# Altium PCB WordClock2.PcbDoc (part 2 of 3) (continued)
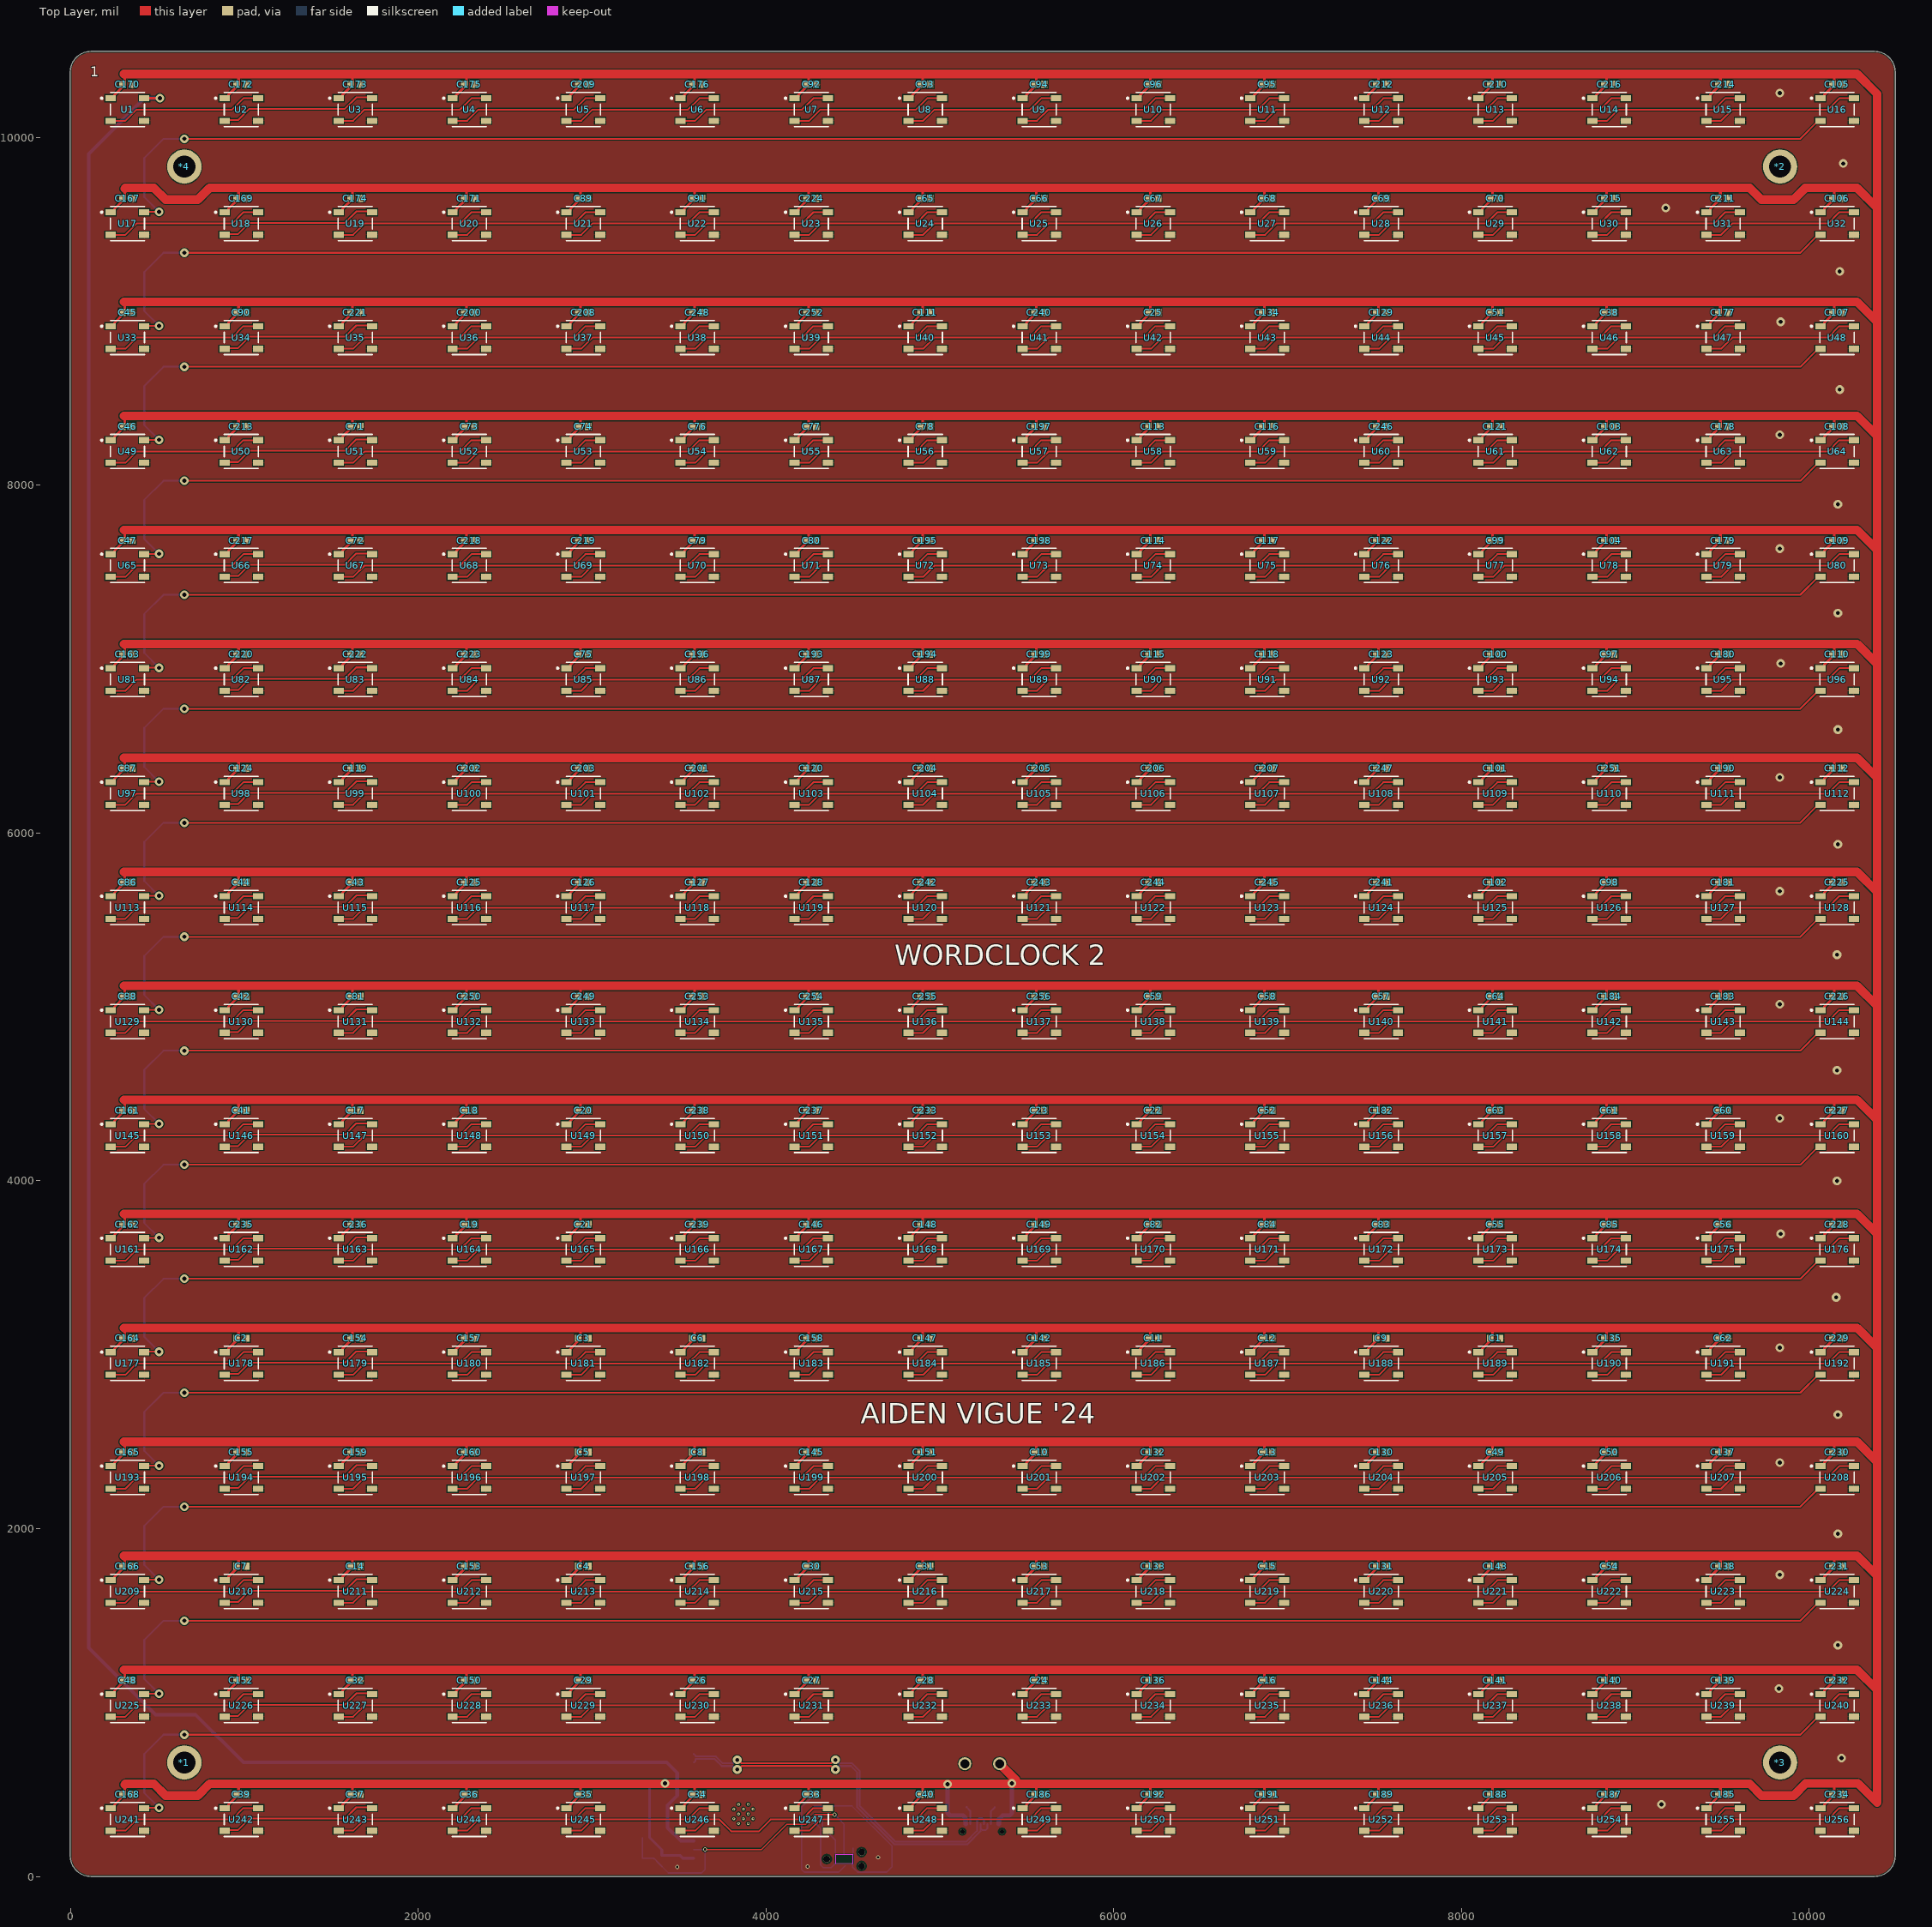
[diagram p0: Top Layer view]
## Nets (pads, with @x,y where several pads share a name; then routed paths per layer and width w, separated by ;. In a path a pad name is that pad's centre, name@x,y a point inside that pad or via, vN(x,y) a via of type N, cw(c..) or ccw(c..) an arc to the next point about the centre after c; other vN are vias at no path point) (continued)
6867.12,3149.69 6862.44,3154.37 ; U171.1@6786.42,3670.27 6798.23,3670.27 6808.44,3680.49 6808.44,3689.67 6867.12,3748.35 6867.12,3805.2 6862.44,3809.88 ; U155.1@6786.42,4325.79 6798.23,4325.79 6808.44,4336 6808.44,4345.18 6867.12,4403.86 6867.12,4460.71 6862.44,4465.39 ; U139.1@6786.42,4981.3 6798.23,4981.3 6808.44,4991.51 6808.44,5000.69 6867.12,5059.37 6867.12,5116.22 6862.44,5120.9 ; U123.1@6786.42,5636.81 6798.23,5636.81 6808.44,5647.03 6808.44,5656.2 6867.12,5714.88 6867.12,5771.73 6862.44,5776.42 ; U107.1@6786.42,6292.32 6798.23,6292.32 6808.44,6302.54 6808.44,6311.71 6867.12,6370.39 6867.12,6427.24 6862.44,6431.93 ; U91.1@6786.42,6947.83 6798.23,6947.83 6808.44,6958.05 6808.44,6967.22 6867.12,7025.9 6867.12,7082.75 6862.44,7087.44 ; U75.1@6786.42,7603.35 6798.23,7603.34 6808.44,7613.56 6808.44,7622.74 6867.12,7681.42 6867.12,7738.27 6862.44,7742.95 ; U59.1@6786.42,8258.86 6798.23,8258.86 6808.44,8269.07 6808.44,8278.25 6867.12,8336.93 6867.12,8393.78 6862.44,8398.46 ; U43.1@6786.42,8914.37 6798.23,8914.37 6808.44,8924.59 6808.44,8933.76 6867.12,8992.44 6867.12,9049.29 6862.44,9053.98 ; U27.1@6786.42,9569.88 6798.23,9569.88 6808.44,9580.1 6808.44,9589.27 6867.12,9647.95 6867.12,9704.8 6862.44,9709.49 ; U11.1@6786.42,10225.39 6798.23,10225.39 6808.44,10235.61 6808.44,10244.78 6867.12,10303.47 6867.12,10360.32 6862.44,10365 ; U252.1@7441.93,392.72 7453.74,392.72 7463.96,402.93 7463.96,412.11 7522.64,470.79 7522.64,472.76 7522.64,527.64 7517.95,532.32 ; U236.1@7441.93,1048.23 7453.74,1048.23 7463.96,1058.44 7463.96,1067.62 7522.64,1126.3 7522.64,1128.27 7522.64,1183.15 7517.95,1187.83 ; U220.1@7441.93,1703.74 7453.74,1703.74 7463.96,1713.96 7463.96,1723.13 7522.64,1781.81 7522.64,1783.78 7522.64,1838.66 7517.95,1843.35 ; U204.1@7441.93,2359.25 7453.74,2359.25 7463.96,2369.47 7463.96,2378.64 7522.64,2437.32 7522.64,2494.17 7517.95,2498.86 ; U188.1@7441.93,3014.76 7453.74,3014.76 7463.96,3024.98 7463.96,3034.15 7522.64,3092.83 7522.64,3094.8 7522.64,3149.69 7517.95,3154.37 ; U172.1@7441.93,3670.27 7453.74,3670.27 7463.96,3680.49 7463.96,3689.67 7522.64,3748.35 7522.64,3750.31 7522.64,3805.2 7517.95,3809.88 ; U156.1@7441.93,4325.79 7453.74,4325.79 7463.96,4336 7463.96,4345.18 7522.64,4403.86 7522.64,4405.83 7522.64,4460.71 7517.95,4465.39 ; U140.1@7441.93,4981.3 7453.74,4981.3 7463.96,4991.51 7463.96,5000.69 7522.64,5059.37 7522.64,5116.22 7517.95,5120.9 ; U124.1@7441.93,5636.81 7453.74,5636.81 7463.96,5647.03 7463.96,5656.2 7522.64,5714.88 7522.64,5716.85 7522.64,5771.73 7517.95,5776.42 ; U108.1@7441.93,6292.32 7453.74,6292.32 7463.96,6302.54 7463.96,6311.71 7522.64,6370.39 7522.64,6372.36 7522.64,6427.24 7517.95,6431.93 ; U92.1@7441.93,6947.83 7453.74,6947.83 7463.96,6958.05 7463.96,6967.22 7522.64,7025.9 7522.64,7082.75 7517.95,7087.44 ; U76.1@7441.93,7603.35 7453.74,7603.34 7463.96,7613.56 7463.96,7622.74 7522.64,7681.42 7522.64,7738.27 7517.95,7742.95 ; U60.1@7441.93,8258.86 7453.74,8258.86 7463.96,8269.07 7463.96,8278.25 7522.64,8336.93 7522.64,8338.9 7522.64,8393.78 7517.95,8398.46 ; U44.1@7441.93,8914.37 7453.74,8914.37 7463.96,8924.59 7463.96,8933.76 7522.64,8992.44 7522.64,8994.41 7522.64,9049.29 7517.95,9053.98 ; U28.1@7441.93,9569.88 7453.74,9569.88 7463.96,9580.1 7463.96,9589.27 7522.64,9647.95 7522.64,9704.8 7517.95,9709.49 ; U12.1@7441.93,10225.39 7453.74,10225.39 7463.96,10235.61 7463.96,10244.78 7522.64,10303.47 7522.64,10305.43 7522.64,10360.32 7517.95,10365 ; U253.1@8097.44,392.72 8109.25,392.72 8119.47,402.93 8119.47,412.11 8178.15,470.79 8178.15,527.64 8173.46,532.32 ; U237.1@8097.44,1048.23 8109.25,1048.23 8119.47,1058.44 8119.47,1067.62 8178.15,1126.3 8178.15,1183.15 8173.46,1187.83 ; U221.1@8097.44,1703.74 8109.25,1703.74 8119.47,1713.96 8119.47,1723.13 8178.15,1781.81 8178.15,1838.66 8173.46,1843.35 ; U205.1@8097.44,2359.25 8109.25,2359.25 8119.47,2369.47 8119.47,2378.64 8178.15,2437.32 8178.15,2494.17 8173.46,2498.86 ; U189.1@8097.44,3014.76 8109.25,3014.76 8119.47,3024.98 8119.47,3034.15 8178.15,3092.83 8178.15,3149.69 8173.46,3154.37 ; U173.1@8097.44,3670.27 8109.25,3670.27 8119.47,3680.49 8119.47,3689.67 8178.15,3748.35 8178.15,3805.2 8173.46,3809.88 ; U157.1@8097.44,4325.79 8109.25,4325.79 8119.47,4336 8119.47,4345.18 8178.15,4403.86 8178.15,4460.71 8173.46,4465.39 ; U141.1@8097.44,4981.3 8109.25,4981.3 8119.47,4991.51 8119.47,5000.69 8178.15,5059.37 8178.15,5116.22 8173.46,5120.9 ; U125.1@8097.44,5636.81 8109.25,5636.81 8119.47,5647.03 8119.47,5656.2 8178.15,5714.88 8178.15,5771.73 8173.46,5776.42 ; U109.1@8097.44,6292.32 8109.25,6292.32 8119.47,6302.54 8119.47,6311.71 8178.15,6370.39 8178.15,6427.24 8173.46,6431.93 ; U93.1@8097.44,6947.83 8109.25,6947.83 8119.47,6958.05 8119.47,6967.22 8178.15,7025.9 8178.15,7082.75 8173.46,7087.44 ; U77.1@8097.44,7603.35 8109.25,7603.34 8119.47,7613.56 8119.47,7622.74 8178.15,7681.42 8178.15,7738.27 8173.46,7742.95 ; U61.1@8097.44,8258.86 8109.25,8258.86 8119.47,8269.07 8119.47,8278.25 8178.15,8336.93 8178.15,8393.78 8173.46,8398.46 ; U45.1@8097.44,8914.37 8109.25,8914.37 8119.47,8924.59 8119.47,8933.76 8178.15,8992.44 8178.15,9049.29 8173.46,9053.98 ; U29.1@8097.44,9569.88 8109.25,9569.88 8119.47,9580.1 8119.47,9589.27 8178.15,9647.95 8178.15,9704.8 8173.46,9709.49 ; U13.1@8097.44,10225.39 8109.25,10225.39 8119.47,10235.61 8119.47,10244.78 8178.15,10303.47 8178.15,10360.32 8173.46,10365 ; U254.1@8752.95,392.72 8764.76,392.72 8774.98,402.93 8774.98,412.11 8833.66,470.79 8833.66,527.64 8828.98,532.32 ; U238.1@8752.95,1048.23 8764.76,1048.23 8774.98,1058.44 8774.98,1067.62 8833.66,1126.3 8833.66,1183.15 8828.98,1187.83 ; U222.1@8752.95,1703.74 8764.76,1703.74 8774.98,1713.96 8774.98,1723.13 8833.66,1781.81 8833.66,1838.66 8828.98,1843.35 ; U206.1@8752.95,2359.25 8764.76,2359.25 8774.98,2369.47 8774.98,2378.64 8833.66,2437.32 8833.66,2494.17 8828.98,2498.86 ; U190.1@8752.95,3014.76 8764.76,3014.76 8774.98,3024.98 8774.98,3034.15 8833.66,3092.83 8833.66,3149.69 8828.98,3154.37 ; U174.1@8752.95,3670.27 8764.76,3670.27 8774.98,3680.49 8774.98,3689.67 8833.66,3748.35 8833.66,3805.2 8828.98,3809.88 ; U158.1@8752.95,4325.79 8764.76,4325.79 8774.98,4336 8774.98,4345.18 8833.66,4403.86 8833.66,4460.71 8828.98,4465.39 ; U142.1@8752.95,4981.3 8764.76,4981.3 8774.98,4991.51 8774.98,5000.69 8833.66,5059.37 8833.66,5116.22 8828.98,5120.9 ; U126.1@8752.95,5636.81 8764.76,5636.81 8774.98,5647.03 8774.98,5656.2 8833.66,5714.88 8833.66,5771.73 8828.98,5776.42 ; U110.1@8752.95,6292.32 8764.76,6292.32 8774.98,6302.54 8774.98,6311.71 8833.66,6370.39 8833.66,6427.24 8828.98,6431.93 ; U94.1@8752.95,6947.83 8764.76,6947.83 8774.98,6958.05 8774.98,6967.22 8833.66,7025.9 8833.66,7082.75 8828.98,7087.44 ; U78.1@8752.95,7603.35 8764.76,7603.34 8774.98,7613.56 8774.98,7622.74 8833.66,7681.42 8833.66,7738.27 8828.98,7742.95 ; U62.1@8752.95,8258.86 8764.76,8258.86 8774.98,8269.07 8774.98,8278.25 8833.66,8336.93 8833.66,8393.78 8828.98,8398.46 ; U46.1@8752.95,8914.37 8764.76,8914.37 8774.98,8924.59 8774.98,8933.76 8833.66,8992.44 8833.66,9049.29 8828.98,9053.98 ; U30.1@8752.95,9569.88 8764.76,9569.88 8774.98,9580.1 8774.98,9589.27 8833.66,9647.95 8833.66,9704.8 8828.98,9709.49 ; U14.1@8752.95,10225.39 8764.76,10225.39 8774.98,10235.61 8774.98,10244.78 8833.66,10303.47 8833.66,10360.32 8828.98,10365 ; U255.1@9408.47,392.72 9420.27,392.72 9430.49,402.93 9430.49,412.11 9489.17,470.79 9489.17,527.64 9484.49,532.32 ; U239.1@9408.47,1048.23 9420.27,1048.23 9430.49,1058.44 9430.49,1067.62 9489.17,1126.3 9489.17,1183.15 9484.49,1187.83 ; U223.1@9408.47,1703.74 9420.27,1703.74 9430.49,1713.96 9430.49,1723.13 9489.17,1781.81 9489.17,1838.66 9484.49,1843.35 ; U207.1@9408.47,2359.25 9420.27,2359.25 9430.49,2369.47 9430.49,2378.64 9489.17,2437.32 9489.17,2494.17 9484.49,2498.86 ; U191.1@9408.47,3014.76 9420.27,3014.76 9430.49,3024.98 9430.49,3034.15 9489.17,3092.83 9489.17,3149.69 9484.49,3154.37 ; U175.1@9408.47,3670.27 9420.27,3670.27 9430.49,3680.49 9430.49,3689.67 9489.17,3748.35 9489.17,3805.2 9484.49,3809.88 ; U159.1@9408.47,4325.79 9420.27,4325.79 9430.49,4336 9430.49,4345.18 9489.17,4403.86 9489.17,4460.71 9484.49,4465.39 ; U143.1@9408.47,4981.3 9420.27,4981.3 9430.49,4991.51 9430.49,5000.69 9489.17,5059.37 9489.17,5116.22 9484.49,5120.9 ; U127.1@9408.47,5636.81 9420.27,5636.81 9430.49,5647.03 9430.49,5656.2 9489.17,5714.88 9489.17,5771.73 9484.49,5776.42 ; U111.1@9408.47,6292.32 9420.27,6292.32 9430.49,6302.54 9430.49,6311.71 9489.17,6370.39 9489.17,6427.24 9484.49,6431.93 ; U95.1@9408.47,6947.83 9420.27,6947.83 9430.49,6958.05 9430.49,6967.22 9489.17,7025.9 9489.17,7082.75 9484.49,7087.44 ; U79.1@9408.47,7603.35 9420.27,7603.34 9430.49,7613.56 9430.49,7622.74 9489.17,7681.42 9489.17,7738.27 9484.49,7742.95 ; U63.1@9408.47,8258.86 9420.27,8258.86 9430.49,8269.07 9430.49,8278.25 9489.17,8336.93 9489.17,8393.78 9484.49,8398.46 ; U47.1@9408.47,8914.37 9420.27,8914.37 9430.49,8924.59 9430.49,8933.76 9489.17,8992.44 9489.17,9049.29 9484.49,9053.98 ; U31.1@9408.47,9569.88 9420.27,9569.88 9430.49,9580.1 9430.49,9589.27 9489.17,9647.95 9489.17,9704.8 9484.49,9709.49 ; U15.1@9408.47,10225.39 9420.27,10225.39 9430.49,10235.61 9430.49,10244.78 9489.17,10303.47 9489.17,10360.32 9484.49,10365 ; U256.1@10063.98,392.72 10075.79,392.72 10086,402.93 10086,412.11 10144.68,470.79 10144.68,472.76 10144.68,527.64 ; U240.1@10063.98,1048.23 10075.79,1048.23 10086,1058.44 10086,1067.62 10144.68,1126.3 10144.68,1128.27 10144.68,1183.15 10140,1187.83 ; U224.1@10063.98,1703.74 10075.79,1703.74 10086,1713.96 10086,1723.13 10144.68,1781.81 10144.68,1783.78 10144.68,1838.66 10140,1843.35 ; U208.1@10063.98,2359.25 10075.79,2359.25 10086,2369.47 10086,2378.64 10144.68,2437.32 10144.68,2494.17 10140,2498.86 ; U192.1@10063.98,3014.76 10075.79,3014.76 10086,3024.98 10086,3034.15 10144.68,3092.83 10144.68,3094.8 10144.68,3149.69 10140,3154.37 ; U176.1@10063.98,3670.27 10075.79,3670.27 10086,3680.49 10086,3689.67 10144.68,3748.35 10144.68,3750.31 10144.68,3805.2 10140,3809.88 ; U160.1@10063.98,4325.79 10075.79,4325.79 10086,4336 10086,4345.18 10144.68,4403.86 10144.68,4405.83 10144.68,4460.71 10140,4465.39 ; U144.1@10063.98,4981.3 10075.79,4981.3 10086,4991.51 10086,5000.69 10144.68,5059.37 10144.68,5116.22 10140,5120.9 ; U128.1@10063.98,5636.81 10075.79,5636.81 10086,5647.03 10086,5656.2 10144.68,5714.88 10144.68,5716.85 10144.68,5771.73 10140,5776.42 ; U112.1@10063.98,6292.32 10075.79,6292.32 10086,6302.54 10086,6311.71 10144.68,6370.39 10144.68,6372.36 10144.68,6427.24 10140,6431.93 ; U96.1@10063.98,6947.83 10075.79,6947.83 10086,6958.05 10086,6967.22 10144.68,7025.9 10144.68,7082.75 10140,7087.44 ; U80.1@10063.98,7603.35 10075.79,7603.34 10086,7613.56 10086,7622.74 10144.68,7681.42 10144.68,7738.27 10140,7742.95 ; U64.1@10063.98,8258.86 10075.79,8258.86 10086,8269.07 10086,8278.25 10144.68,8336.93 10144.68,8338.9 10144.68,8393.78 10140,8398.46 ; U48.1@10063.98,8914.37 10075.79,8914.37 10086,8924.59 10086,8933.76 10144.68,8992.44 10144.68,8994.41 10144.68,9049.29 10140,9053.98 ; U32.1@10063.98,9569.88 10075.79,9569.88 10086,9580.1 10086,9589.27 10144.68,9647.95 10144.68,9649.92 10144.68,9704.8 10140,9709.49 ; U16.1@10063.98,10225.39 10075.79,10225.39 10086,10235.61 10086,10244.78 10144.68,10303.47 10144.68,10305.43 10144.68,10360.32 10140,10365
  Top Layer w50: 307.32,1187.83 962.83,1187.83 1618.35,1187.83 2273.86,1187.83 2929.37,1187.83 3584.88,1187.83 4240.39,1187.83 4895.91,1187.83 5551.42,1187.83 6206.93,1187.83 6862.44,1187.83 7517.95,1187.83 8173.46,1187.83 8828.98,1187.83 9484.49,1187.83 10140,1187.83 10275,1187.83 10390,1072.83 ; 307.32,1843.35 962.83,1843.35 1618.35,1843.35 2273.86,1843.35 2929.37,1843.35 3584.88,1843.35 4240.39,1843.35 4895.91,1843.35 5551.42,1843.35 6206.93,1843.35 6862.44,1843.35 7517.95,1843.35 8173.46,1843.35 8828.98,1843.35 9484.49,1843.35 10140,1843.35 10275,1843.35 10390,1728.35 ; 307.32,2498.86 962.83,2498.86 1618.35,2498.86 2273.86,2498.86 2929.37,2498.86 3584.88,2498.86 4240.39,2498.86 4895.91,2498.86 5551.42,2498.86 6206.93,2498.86 6862.44,2498.86 7517.95,2498.86 8173.46,2498.86 8828.98,2498.86 9484.49,2498.86 10140,2498.86 10275,2498.86 10390,2383.86 ; 307.32,3154.37 962.83,3154.37 1618.35,3154.37 2273.86,3154.37 2929.37,3154.37 3584.88,3154.37 4240.39,3154.37 4895.91,3154.37 5551.42,3154.37 6206.93,3154.37 6862.44,3154.37 7517.95,3154.37 8173.46,3154.37 8828.98,3154.37 9484.49,3154.37 10140,3154.37 10275,3154.37 10390,3039.37 ; 307.32,3809.88 962.83,3809.88 1618.35,3809.88 2273.86,3809.88 2929.37,3809.88 3584.88,3809.88 4240.39,3809.88 4895.91,3809.88 5551.42,3809.88 6206.93,3809.88 6862.44,3809.88 7517.95,3809.88 8173.46,3809.88 8828.98,3809.88 9484.49,3809.88 10140,3809.88 10275,3809.88 10390,3694.88 ; 307.32,4465.39 962.83,4465.39 1618.35,4465.39 2273.86,4465.39 2929.37,4465.39 3584.88,4465.39 4240.39,4465.39 4895.91,4465.39 5551.42,4465.39 6206.93,4465.39 6862.44,4465.39 7517.95,4465.39 8173.46,4465.39 8828.98,4465.39 9484.49,4465.39 10140,4465.39 10275,4465.39 10390,4350.39 ; 307.32,5120.9 962.83,5120.9 1618.35,5120.9 2273.86,5120.9 2929.37,5120.9 3584.88,5120.9 4240.39,5120.9 4895.91,5120.9 5551.42,5120.9 6206.93,5120.9 6862.44,5120.9 7517.95,5120.9 8173.46,5120.9 8828.98,5120.9 9484.49,5120.9 10140,5120.9 10275,5120.9 10390,5005.9 ; 307.32,5776.42 962.83,5776.42 1618.35,5776.42 2273.86,5776.42 2929.37,5776.42 3584.88,5776.42 4240.39,5776.42 4895.91,5776.42 5551.42,5776.42 6206.93,5776.42 6862.44,5776.42 7517.95,5776.42 8173.46,5776.42 8828.98,5776.42 9484.49,5776.42 10140,5776.42 10275,5776.42 10390,5661.42 ; 307.32,6431.93 962.83,6431.93 1618.35,6431.93 2273.86,6431.93 2929.37,6431.93 3584.88,6431.93 4240.39,6431.93 4895.91,6431.93 5551.42,6431.93 6206.93,6431.93 6862.44,6431.93 7517.95,6431.93 8173.46,6431.93 8828.98,6431.93 9484.49,6431.93 10140,6431.93 10275,6431.93 10390,6316.93 ; 307.32,7087.44 962.83,7087.44 1618.35,7087.44 2273.86,7087.44 2929.37,7087.44 3584.88,7087.44 4240.39,7087.44 4895.91,7087.44 5551.42,7087.44 6206.93,7087.44 6862.44,7087.44 7517.95,7087.44 8173.46,7087.44 8828.98,7087.44 9484.49,7087.44 10140,7087.44 10275,7087.44 10390,6972.44 ; 307.32,7742.95 962.83,7742.95 1618.35,7742.95 2273.86,7742.95 2929.37,7742.95 3584.88,7742.95 4240.39,7742.95 4895.91,7742.95 5551.42,7742.95 6206.93,7742.95 6862.44,7742.95 7517.95,7742.95 8173.46,7742.95 8828.98,7742.95 9484.49,7742.95 10140,7742.95 10275,7742.95 10390,7627.95 ; 307.32,8398.46 962.83,8398.46 1618.35,8398.46 2273.86,8398.46 2929.37,8398.46 3584.88,8398.46 4240.39,8398.46 4895.91,8398.46 5551.42,8398.46 6206.93,8398.46 6862.44,8398.46 7517.95,8398.46 8173.46,8398.46 8828.98,8398.46 9484.49,8398.46 10140,8398.46 10275,8398.46 10390,8283.46 ; 307.32,9053.98 962.83,9053.98 1618.35,9053.98 2273.86,9053.98 2929.37,9053.98 3584.88,9053.98 4240.39,9053.98 4895.91,9053.98 5551.42,9053.98 6206.93,9053.98 6862.44,9053.98 7517.95,9053.98 8173.46,9053.98 8828.98,9053.98 9484.49,9053.98 10140,9053.98 10275,9053.98 10390,8938.98 ; 307.32,10365 962.83,10365 1618.35,10365 2273.86,10365 2929.37,10365 3584.88,10365 4240.39,10365 4895.91,10365 5551.42,10365 6206.93,10365 6862.44,10365 7517.95,10365 8173.46,10365 8828.98,10365 9484.49,10365 10140,10365 10275,10365 10390,10250 10390,9594.49 ; 312.01,527.64 316.69,532.32 480.51,532.32 547.83,465 732.83,465 800.16,532.32 1618.35,532.32 2273.86,532.32 2929.37,532.32 3584.88,532.32 4240.39,532.32 4895.91,532.32 5551.42,532.32 6206.93,532.32 6862.44,532.32 7517.95,532.32 8173.46,532.32 8828.98,532.32 9484.49,532.32 9657.68,532.32 9725,465 9910,465 9980,535 10280,535 10390,425 10390,1072.83 ; 312.01,9704.8 316.69,9709.49 480.51,9709.49 547.83,9642.17 732.83,9642.17 800.16,9709.49 1618.35,9709.49 2273.86,9709.49 2929.37,9709.49 3584.88,9709.49 4240.39,9709.49 4895.91,9709.49 5551.42,9709.49 6206.93,9709.49 6862.44,9709.49 7517.95,9709.49 8173.46,9709.49 8828.98,9709.49 9484.49,9709.49 9657.68,9709.49 9725,9642.17 9910,9642.17 9977.32,9709.49 10140,9709.49 10275,9709.49 10390,9594.49 ; E1.A1@5344,648.13 5436.06,556.06 ; 10390,1072.83 10390,1728.35 ; 10390,1728.35 10390,2383.86 ; 10390,2383.86 10390,3039.37 ; 10390,3039.37 10390,3694.88 ; 10390,3694.88 10390,4350.39 ; 10390,4350.39 10390,5005.9 ; 10390,5005.9 10390,5661.42 ; 10390,5661.42 10390,6316.93 ; 10390,6316.93 10390,6972.44 ; 10390,6972.44 10390,7627.95 ; 10390,7627.95 10390,8283.46 ; 10390,8283.46 10390,8938.98 ; 10390,8938.98 10390,9594.49
  Bottom Layer w25: v1(5045,530) 5045,364.64 5059.64,350 5134.27,350 5148.92,335.36 5148.92,300.57 J1.B4-A9@5149.61,299.88 ; J1.A4-B9@5338.58,299.88 5339.27,300.57 5339.27,328.27 5361,350 5400.36,350 5415,364.64 v1(5415,535)
  Bottom Layer w50: v1(3420,535) 3420.55,534.45 U258.3@3420.55,534.31
CC1: J1.A5 R2.2 | length 108.2
  Bottom Layer w10: J1.A5@5293.31,299.88 5293.31,373.82 5315.77,396.29 R2.2@5315.77,398.79
CC2: J1.B5 R3.2 | length 108.8
  Bottom Layer w10: R3.2@5154.23,400 5154.23,397.5 5175.2,376.53 J1.B5@5175.2,299.88
GND: *1.1 *2.1 *3.1 *4.1 C1.2 C2.2 C3.2 C4.2 C5.2 C6.2 C7.2 C8.2 C9.2 C10.2 C11.2 C12.2 C13.2 C14.2 C15.2 C16.2 C17.2 C18.2 C19.2 C20.2 C21.2 C22.2 C23.2 C24.2 C25.2 C26.2 C27.2 C28.2 C29.2 C30.2 C31.2 C32.2 C33.2 C34.2 C35.2 C36.2 C37.2 C38.2 C39.2 C40.2 C41.2 C42.2 C43.2 C44.2 C45.2 C46.2 C47.2 C48.2 C49.2 C50.2 C51.2 C52.2 C53.2 C54.2 C55.2 C56.2 C57.2 C58.2 C59.2 C60.2 C61.2 C62.2 C63.2 C64.2 C65.2 C66.2 C67.2 C68.2 C69.2 C70.2 C71.2 C72.2 C73.2 C74.2 C75.2 C76.2 C77.2 C78.2 C79.2 C80.2 C81.2 C82.2 C83.2 C84.2 C85.2 C86.2 C87.2 C88.2 C89.2 C90.2 C91.2 C92.2 C93.2 C94.2 C95.2 C96.2 C97.2 C98.2 C99.2 C100.2 C101.2 C102.2 C103.2 C104.2 C105.2 C106.2 C107.2 C108.2 C109.2 C110.2 C111.2 C112.2 C113.2 C114.2 C115.2 C116.2 C117.2 C118.2 C119.2 C120.2 C121.2 C122.2 C123.2 C124.2 C125.2 C126.2 C127.2 C128.2 C129.2 C130.2 C131.2 C132.2 C133.2 C134.2 C135.2 C136.2 C137.2 C138.2 C139.2 C140.2 C141.2 C142.2 C143.2 C144.2 C145.2 C146.2 C147.2 C148.2 C149.2 C150.2 C151.2 C152.2 C153.2 C154.2 C155.2 C156.2 C157.2 C158.2 C159.2 C160.2 C161.2 C162.2 C163.2 C164.2 C165.2 C166.2 C167.2 C168.2 C169.2 C170.2 C171.2 C172.2 C173.2 C174.2 C175.2 C176.2 C177.2 C178.2 C179.2 C180.2 C181.2 C182.2 C183.2 C184.2 C185.2 C186.2 C187.2 C188.2 C189.2 C190.2 C191.2 C192.2 C193.2 C194.2 C195.2 C196.2 C197.2 C198.2 C199.2 C200.2 C201.2 C202.2 C203.2 C204.2 C205.2 C206.2 C207.2 C208.2 C209.2 C210.2 C211.2 C212.2 C213.2 C214.2 C215.2 C216.2 C217.2 C218.2 C219.2 C220.2 C221.2 C222.2 C223.2 C224.2 C225.2 C226.2 C227.2 C228.2 C229.2 C230.2 C231.2 C232.2 C233.2 C234.2 C235.2 C236.2 C237.2 C238.2 C239.2 C240.2 C241.2 C242.2 C243.2 C244.2 C245.2 C246.2 C247.2 C248.2 C249.2 C250.2 C251.2 C252.2 C253.2 C254.2 C255.2 C256.2 C257.2 C258.2 E1.A2 J1.1 J1.2 J1.3 J1.4 J1.A1-B12 J1.B1-A12 J2.5 R2.1 R3.1 SW1.1 U1.3 U2.3 U3.3 U4.3 U5.3 U6.3 U7.3 U8.3 U9.3 U10.3 U11.3 U12.3 U13.3 U14.3 U15.3 U16.3 U17.3 U18.3 U19.3 U20.3 U21.3 U22.3 U23.3 U24.3 U25.3 U26.3 U27.3 U28.3 U29.3 U30.3 U31.3 U32.3 U33.3 U34.3 U35.3 U36.3 U37.3 U38.3 U39.3 U40.3 U41.3 U42.3 U43.3 U44.3 U45.3 U46.3 U47.3 U48.3 U49.3 U50.3 U51.3 U52.3 U53.3 U54.3 U55.3 U56.3 U57.3 U58.3 U59.3 U60.3 U61.3 U62.3 U63.3 U64.3 U65.3 U66.3 U67.3 U68.3 U69.3 U70.3 U71.3 U72.3 U73.3 U74.3 U75.3 U76.3 U77.3 U78.3 U79.3 U80.3 U81.3 U82.3 U83.3 U84.3 U85.3 U86.3 U87.3 U88.3 U89.3 U90.3 U91.3 U92.3 U93.3 U94.3 U95.3 U96.3 U97.3 U98.3 U99.3 U100.3 U101.3 U102.3 U103.3 U104.3 U105.3 U106.3 U107.3 U108.3 U109.3 U110.3 U111.3 U112.3 U113.3 U114.3 U115.3 U116.3 U117.3 U118.3 U119.3 U120.3 U121.3 U122.3 U123.3 U124.3 U125.3 U126.3 U127.3 U128.3 U129.3 U130.3 U131.3 U132.3 U133.3 U134.3 U135.3 U136.3 U137.3 U138.3 U139.3 U140.3 U141.3 U142.3 U143.3 U144.3 U145.3 U146.3 U147.3 U148.3 U149.3 U150.3 U151.3 U152.3 U153.3 U154.3 U155.3 U156.3 U157.3 U158.3 U159.3 U160.3 U161.3 U162.3 U163.3 U164.3 U165.3 U166.3 U167.3 U168.3 U169.3 U170.3 U171.3 U172.3 U173.3 U174.3 U175.3 U176.3 U177.3 U178.3 U179.3 U180.3 U181.3 U182.3 U183.3 U184.3 U185.3 U186.3 U187.3 U188.3 U189.3 U190.3 U191.3 U192.3 U193.3 U194.3 U195.3 U196.3 U197.3 U198.3 U199.3 U200.3 U201.3 U202.3 U203.3 U204.3 U205.3 U206.3 U207.3 U208.3 U209.3 U210.3 U211.3 U212.3 U213.3 U214.3 U215.3 U216.3 U217.3 U218.3 U219.3 U220.3 U221.3 U222.3 U223.3 U224.3 U225.3 U226.3 U227.3 U228.3 U229.3 U230.3 U231.3 U232.3 U233.3 U234.3 U235.3 U236.3 U237.3 U238.3 U239.3 U240.3 U241.3 U242.3 U243.3 U244.3 U245.3 U246.3 U247.3 U248.3 U249.3 U250.3 U251.3 U252.3 U253.3 U254.3 U255.3 U256.3 U257.1 U257.40 U257.41_1 U257.41_2 U257.41_3 U257.41_4 U257.41_5 U257.41_6 U257.41_7 U257.41_8 U257.41_9 U258.1 | length 40
  Bottom Layer w8: J2.5@4500,125 4500,165
  other v1: 9150,415 10185,680 9825,1080 10165,1330 9830,1735 10165,1970 9830,2380 10165,2655 9830,3040 10155,3330 9835,3695 10160,4000 9830,4360 10160,4635 9830,5015 10160,5300 9830,5665 10165,5935 9830,6320 10165,6595 9835,6975 10165,7265 9830,7635 10165,7890 9830,8290 10175,8550 9835,8940 10175,9230 9175,9595 10195,9850 9830,10255
  other v2: 3490,55 4239.45,57.5 4645,110
NetJ2_1: J2.1 U257.34 | length 300.4
  Bottom Layer w8: U257.34@4273.98,355 4287.69,341.28 4318.72,341.28 4325,335 4325,284.17 4400,209.17 J2.1@4400,125
NetJ2_2: J2.2 U257.35 | length 365.7
  Bottom Layer w8: U257.35@4273.98,305 4285.79,305 4314.6,276.19 4314.6,65.09 4329.69,50 4375,50 J2.2@4400,75
NetJ2_3: J2.3 R1.2 SW1.2 U257.3 | length 1783.6
  Top Layer w8: v2(3650,155) 3975,155 4120,300 4227.89,300 4282.89,355 v2(4395,355)
  Bottom Layer w8: R1.2@3289.41,223.2 3289.41,105.08 SW1.2@3289.49,105 3355,105 3371.51,88.49 3371.51,87.46 3438.97,20 3630.31,20 3650,39.69 v2(3650,155) U257.3@3585,155 ; v2(4395,355) 4450,300 J2.3@4450,125
NetJ2_4: J2.4 U257.32 | length 721.2
  Bottom Layer w8: U257.32@4273.98,455 4262.17,455 4205,397.83 4205,40 4220,25 4420,25 4455,60
NetJ2_6: J2.6 U257.33 | length 939.1
  Bottom Layer w8: U257.33@4273.98,405 4495,405 4725,175 4725,55 4695,25 4527.02,25 4498.51,53.51 4498.51,73.51 J2.6@4500,75
NetU1_2: U1.2 U2.4 | length 902.2
  Top Layer w10: U1.2@231.3,10095.47 315.47,10095.47 380,10160 930,10160 995.39,10225.39 U2.4@1079.72,10225.39
NetU1_4: U1.4 U257.4 | length 13425.6
  Top Layer w15: U1.4@424.21,10225.39 424.41,10225.2 514.8,10225.2 v1(515,10225)
  Bottom Layer w20: v1(515,10225) 425,10225 105,9905 105,1315 490,930 720,930 995,655 3430,655 3490,595 3490,465 3435,410 3435,280 3510,205 U257.4@3585,205
NetU2_2: U2.2 U3.4 | length 902.2
  Top Layer w10: U2.2@880,10100 964.17,10100 1028.7,10164.53 1578.7,10164.53 1644.09,10229.92 U3.4@1728.43,10229.92
NetU3_2: U3.2 U4.4 | length 902.2
  Top Layer w10: U3.2@1542.32,10095.47 1626.5,10095.47 1691.02,10160 2241.02,10160 2306.42,10225.39 U4.4@2390.75,10225.39
NetU4_2: U4.2 U5.4 | length 902.2
  Top Layer w10: U4.2@2197.84,10095.47 2282.01,10095.47 2346.54,10160 2896.54,10160 2961.93,10225.39 U5.4@3046.26,10225.39
NetU5_2: U5.2 U6.4 | length 902.2
  Top Layer w10: U5.2@2853.35,10095.47 2937.52,10095.47 3002.05,10160 3552.05,10160 3617.44,10225.39 U6.4@3701.77,10225.39
NetU6_2: U6.2 U7.4 | length 902.2
  Top Layer w10: U6.2@3508.86,10095.47 3593.03,10095.47 3657.56,10160 4207.56,10160 4272.95,10225.39 U7.4@4357.28,10225.39
NetU7_2: U7.2 U8.4 | length 902.2
  Top Layer w10: U7.2@4164.37,10095.47 4248.55,10095.47 4313.07,10160 4863.07,10160 4928.47,10225.39 U8.4@5012.8,10225.39